# KiCad board AMLDC-2044B (2).kicad_pcb (continued)
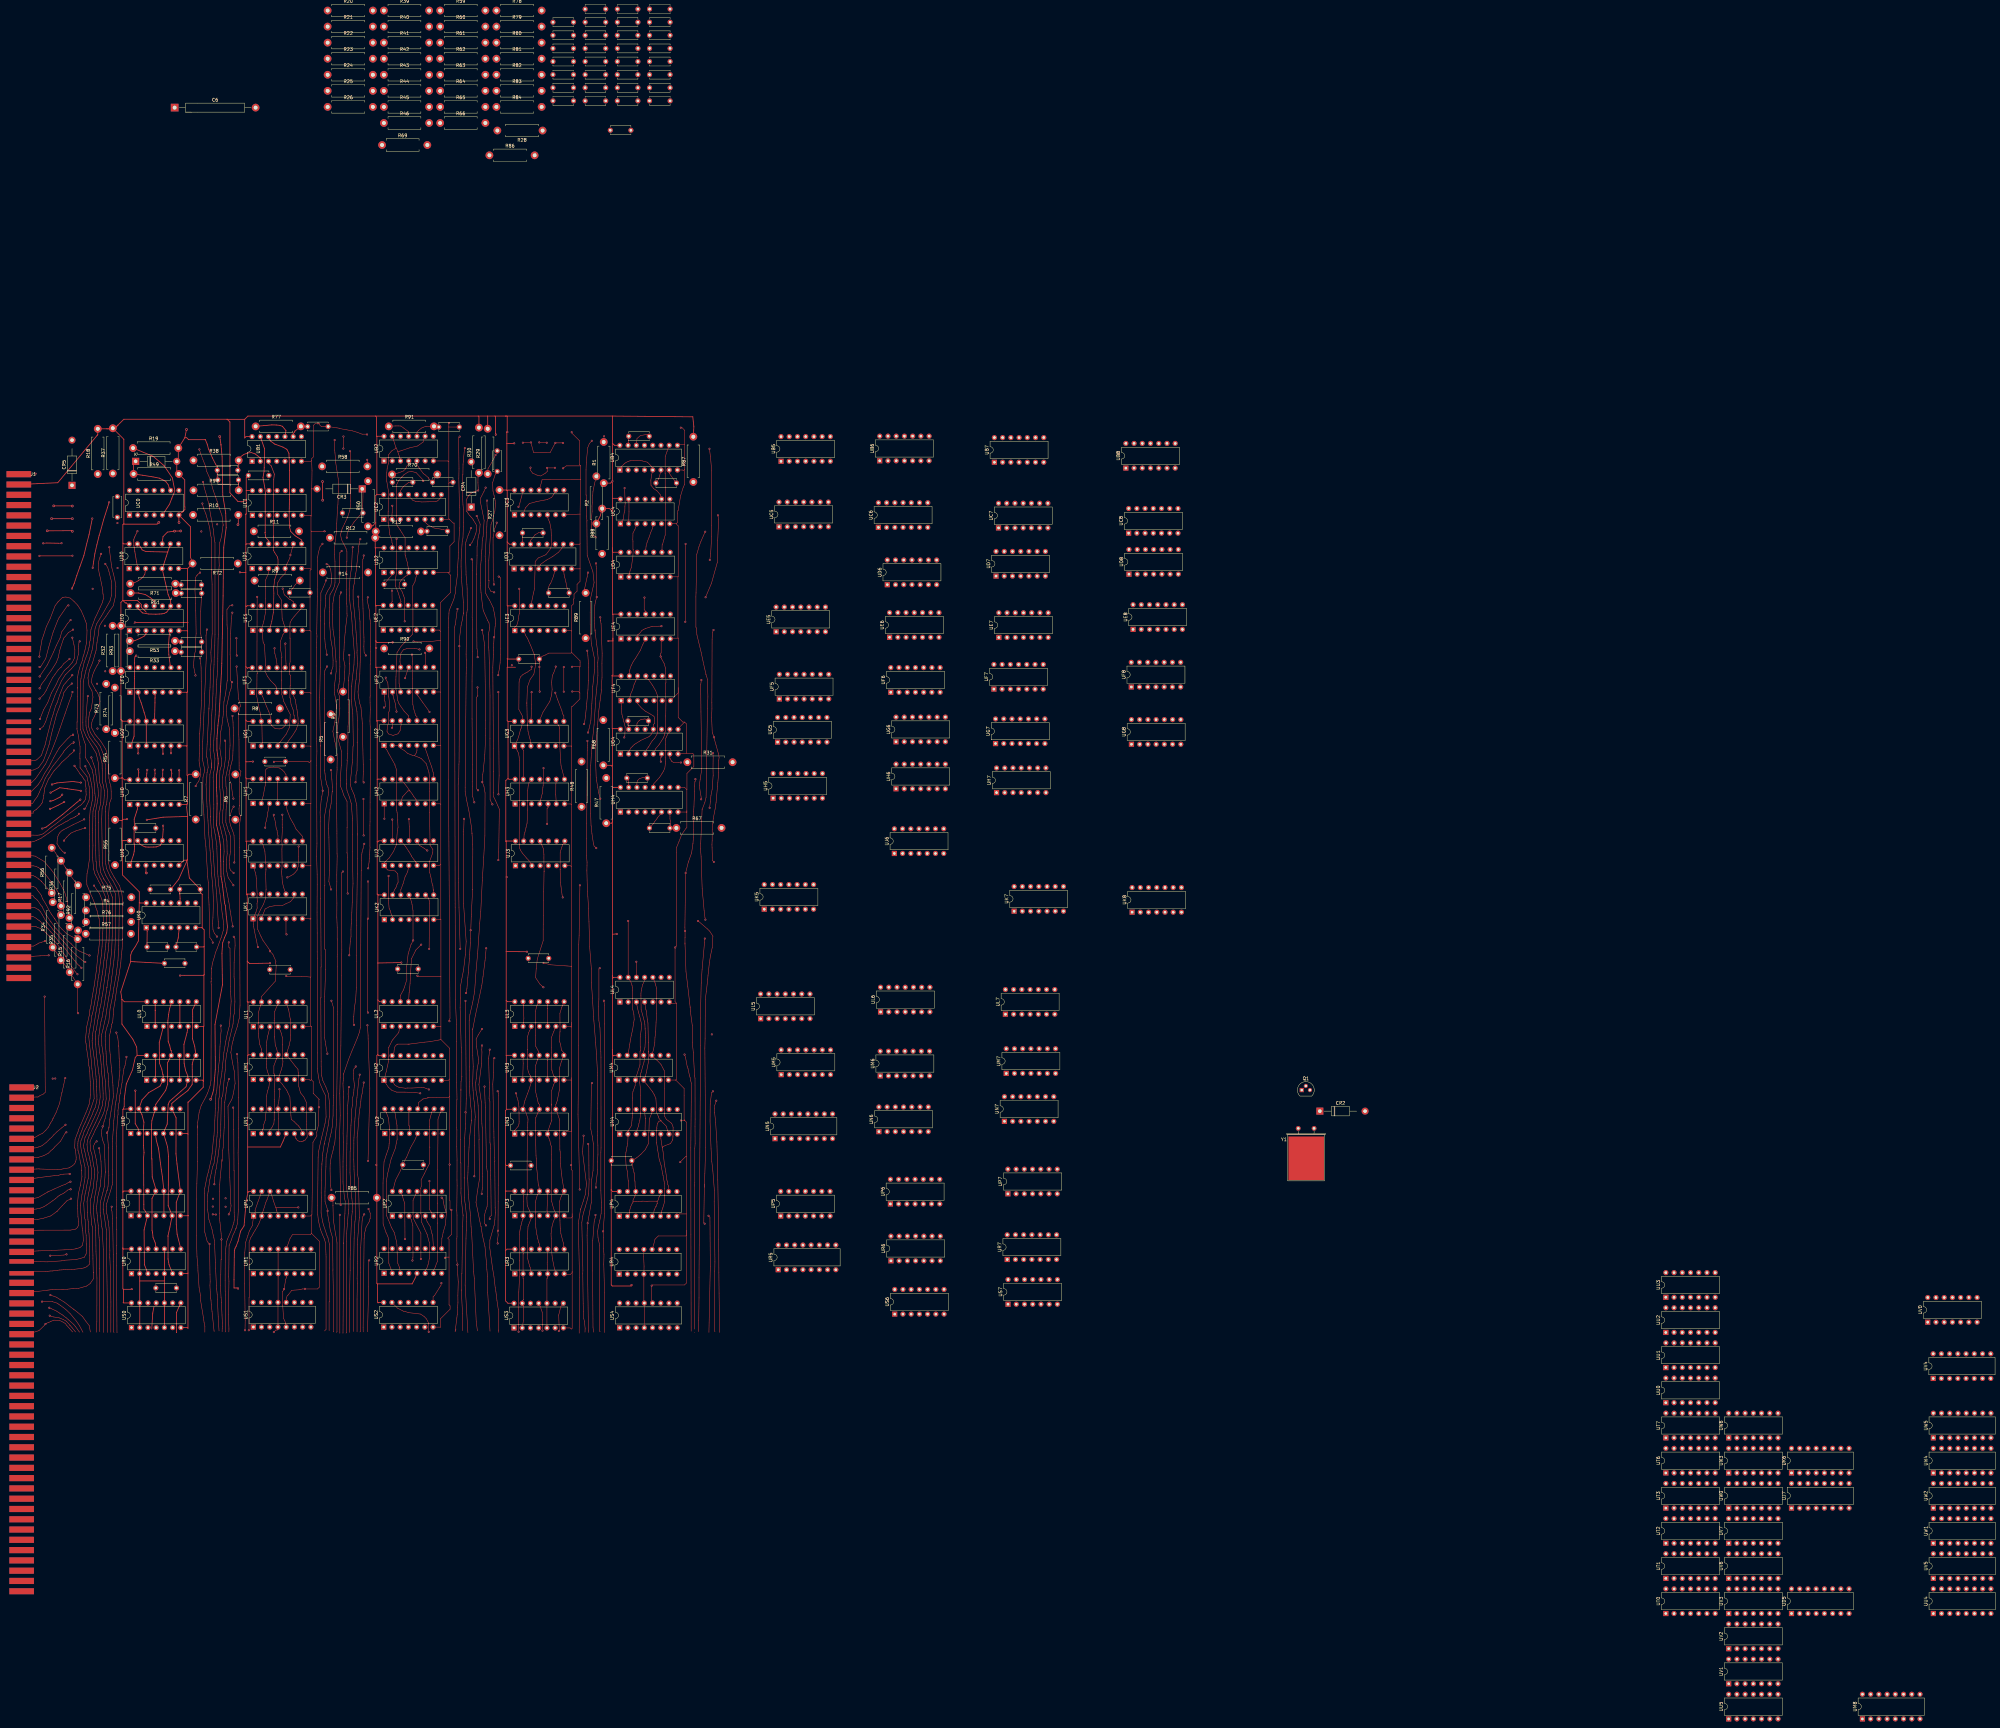
[diagram p0: board, top side]
## Routing (per net, layer and track width the routed paths; a pad name or vN(x,y) marks a point on that pad's centre or on a via; arc(x,y) is an arc through that point) (continued)
  Top w0.15: 134.47,312.16 133.96,301.87 133.89,300.84 133.73,297.18 133.86,296.81 134.02,296.07 134.23,293.86 133.88,292.21 ; 223.62,150.78 223.77,149.45 223.62,148.19 v1(223.62,146.83) ; v1(285.47,246.4) 285.54,246.4 288.37,243.96 289.08,243.27 290.07,241.74 289.85,238.11 289.63,237.09 289.32,235.61 289,233.62 288.56,229.55 288.47,228.25 288.05,224.73 287.74,222.27 287.66,210.17 287.59,207.13 287.83,176.46 287.59,168.48 287.43,164.1 ; v1(287.58,240.98) 287.5,239.88 286.74,231.52 286.47,227.26 286.22,216.45 286.26,207.89 285.79,136.39 285.79,130.01 285.7,123.1 285.69,119.6 ; v1(223.78,322.32) 223.94,323.28 224.18,324.5 224.37,326.12 224.49,328.72 224.48,330.47 224.48,349.31 224.44,352.34 ; v1(281.65,362.85) 281.65,338.9 v1(281.54,338.78) ; 179.03,119.62 179.15,139.25 179.29,148.47 179.36,150.28 179.54,153.48 179.78,155.21 179.68,162.47 179.57,162.96 179.25,169.77 179.25,170.55 179.18,172.81 179.21,177.62 179.21,178.66 179.25,179.47 179.5,184.4 179.57,185.55 180.04,190.65 180.17,191.97 180.77,197.69 v1(181.02,198.95) ; 139.92,194.73 140.29,196.55 v1(140.67,197.61) ; 290.6,187.17 290.59,188.54 290.62,189.4 v1(291.12,190.91) ; 104.46,156.89 104.43,156.92 v1(104.43,158.17) ; 281.45,239.64 281.76,230.79 282.31,226.25 283.05,219.74 ; v1(179.27,214.31) 179.06,216.05 179.2,216.9 ; 224.44,352.34 224.02,352.77 v1(223.94,352.77) ; 224.44,352.34 224.44,352.42 ; 286.75,280.99 286.31,270.3 286.24,268.65 286.43,266.36 286.76,256.36 287.36,249.66 287.62,247.44 v1(287.75,246.8) ; 255.36,339.2 255.38,339.05 ; 255.38,339.05 255.55,338.17 255.87,329.05 255.86,328.24 255.82,325.86 255.84,321.61 255.58,317.99 255.65,317.56 255.25,314.53 254.82,311.2 254.48,307.01 253.95,300.72 253.82,295.96 253.88,295.27 254.03,290.81 254.15,289.81 254.54,287.55 254.78,286.05 v1(255.29,284.16) ; 255.38,339.05 255.32,339.33 v1(255.29,340.16) ; v1(290.07,193.8) 289.64,193.37 289.37,190.81 289.24,189.87 289.2,184.64 289.51,176.06 289.72,172.19 290.06,169.21 290.53,163.13 290.47,159.73 290.7,141.34 290.65,138.29 290.65,119.7 290.72,119.63 ; v1(289.01,392.22) 289.31,389.83 289.72,385.4 289.68,368.53 289.68,365.12 289.39,359.87 v1(289.12,357.89) ; v1(289.07,281.36) 289.29,283.24 289.48,285.18 289.85,287.07 290.15,291.39 290.11,293.54 290.15,297.04 290.08,297.91 v1(290.09,298.24) ; 212.76,119.89 212.76,125.08 212.4,132.31 212.35,132.36 212.54,132.55 212.54,137.49 212.58,137.54 212.79,152.18 212.93,155.63 ; v1(89.94,267.46) 89.3,267.83 88.9,268.31 88.43,268.84 87.54,270.31 87.65,271.97 87.8,272.48 88.01,273.07 88.36,273.57 88.51,273.83 89.12,274.34 89.4,274.5 92.67,276.23 94.48,277.07 v1(95.94,277.79) ; 210.75,120.42 210.48,119.66 211.01,123.81 211.14,124.98 211.26,126.99 211.35,128.65 211.32,130.75 211.44,134.94 211.31,137.11 v1(211.17,140.29) 211.01,141.55 211.01,148.27 211.06,148.99 211.06,155.6 210.99,157.07 211.08,164.67 211.05,166.42 211.07,172.58 210.99,176.83 211.02,181.96 210.93,182.56 211.01,191.13 211.06,191.38 210.96,196.55 210.93,199.12 210.93,209.18 210.88,209.23 210.88,214.41 210.57,222.08 210.49,250.54 210.48,251.66 210.32,337.08 210.54,338.07 211.07,341.96 v1(211.21,342.75) ; v1(183.59,172.31) 184.14,194.67 183.62,210 183.6,211.15 v1(183.39,214.21) ; v1(172.18,322.87) 172.39,323.86 172.76,324.96 172.79,326.95 172.59,330.57 172.13,333.16 171.7,338.44 171.7,341.87 171.6,343.31 171.84,347.13 172.78,348.77 173.27,349.92 173.39,350.86 173.39,355.97 173.38,357.33 173.26,359.59 173.22,361.16 173.52,364.31 173.8,366.42 173.87,367.56 173.93,369.26 174.15,373.94 174.29,374.98 174.39,377.79 174.54,379.16 174.37,382.97 173.61,387.89 173.38,390.94 173.29,391.84 v1(173.29,394.92) ; v1(102.99,181.05) 103.12,180.12 103.47,176.28 ; v1(102.99,181.05) 103.23,181.29 ; v1(102.99,181.05) 102.79,180.85 ; 138.84,368.83 138.63,367.22 138.35,365.12 137.82,363.32 137.56,358.43 137.64,356.25 137.51,354.61 137.4,334.97 137.29,333.74 137.2,327.37 137.2,326.48 137.12,323.58 136.9,321 136.82,319.46 136.63,315.29 136.59,313.39 136.41,311.54 136.39,310.11 135.97,302.13 135.87,300.74 135.93,298.94 136.31,296.62 136.21,293.74 135.96,292.37 135.75,290.7 135.81,289.41 135.97,282.43 135.97,281.26 135.93,278.52 135.92,277.66 135.97,275.24 136.39,273.1 136.92,269.53 136.91,268.74 137.12,261.83 137.26,260.1 137.52,257.25 137.86,254.98 138.55,248.79 138.63,248.32 139.02,245.44 138.91,243.57 138.25,241.33 137.65,239.72 136.96,237.78 136.45,236.61 136.25,235.6 135.87,234.51 135.49,233.16 135.28,231.55 ; 173.71,326.62 173.75,323.54 173.24,319.16 173.25,317 173.33,316.23 173.65,314.34 173.85,312.69 173.63,310.04 173.4,308.16 172.73,305.01 173.31,301.86 173.55,301.08 173.81,299.04 174.03,297.79 174.07,296.63 174.02,293.82 174.03,293.26 173.8,288.72 173.88,282.66 173.98,274.19 173.98,273.46 174.02,267.3 174.06,266.46 173.94,260.64 173.95,258.52 173.92,255.73 173.97,251.8 173.94,247.6 174.07,244.35 174.07,240.88 174.09,240.54 174.09,235.95 174.07,235.47 174.17,232.22 174.17,218.33 174.15,217.62 174.08,214.41 174.08,203.04 173.88,188.1 173.93,185.18 173.32,177.87 172.97,176.61 172.76,175.44 172.22,173.53 171.9,171.43 171.86,169.86 171.96,164.85 v1(172.26,163.33) ; v1(221.98,282.42) 221.28,283.83 221.23,302.85 221.25,316.02 221.04,326.08 220.91,330.04 220.82,331.01 220.73,334.77 221.14,336.88 220.94,338.43 220.49,339.28 ; 283.37,119.74 283.28,149.72 283.25,176.42 283.44,196.27 283.21,197.08 283.04,198.03 282.85,198.63 282.39,200.82 282.12,201.56 281.61,204.36 v1(281.31,205.17) ; 249.17,157.19 250.06,159.92 250.66,161.86 251.04,165.2 249.82,175.11 250.13,179.27 v1(250.14,180.1) ; v1(82.15,324.86) 82.47,324.86 84.07,327.46 84.97,330.91 86.35,335.62 87.76,339.19 88.17,340.03 90.7,343.73 90.93,343.73 v1(91.07,343.86) ; 172.85,119.51 172.97,119.63 172.97,131.21 172.87,132.15 172.74,138.61 172.76,138.63 172.64,148.58 171.93,150.96 171.55,153.36 171.2,155.35 v1(171.1,156.86) 171.1,157.18 170.31,159.76 170.29,161.63 170.29,162.95 170.59,170.61 170.63,173.27 171.4,177.39 171.89,179.75 172.19,180.95 172.52,182.78 172.8,186.35 172.82,189.32 172.95,191.96 172.94,192.57 ; v1(175.21,347.86) 174.88,346.9 174.85,346.37 174.75,343.12 174.74,336.16 174.71,334.05 174.85,327.87 174.89,324.99 174.76,321.2 174.71,320.37 174.62,319.5 174.4,318.25 174.06,317.57 174.88,315.56 174.74,314.96 174.88,312.12 174.81,311.43 174.58,308.98 174.34,307.77 174.22,306.64 174.09,305.99 174.16,303.31 175.39,298.73 175.32,294.52 175.03,289.86 175.05,288.08 175.7,286.53 176.04,285.34 177.11,283.32 177.14,275.37 177.11,275.34 177.11,267.56 177.07,267.53 177.14,267.22 177.21,266.12 177.21,255 v1(177.31,254.9) ; 253.68,335.89 253.68,336.28 253.73,335.48 254.21,331.71 254.42,330.13 254.45,329.7 254.63,327.59 254.52,326.13 254.54,324.89 254.57,322.16 254.18,317.95 253.89,315.12 253.8,313.41 253.38,306.93 252.95,302.82 252.58,299.37 252.55,298.18 252.36,294.41 252.35,291.5 252.32,283.33 252.33,279.64 252.45,275.91 252.51,275.52 252.72,273.43 253.2,270.22 253.42,269.45 253.52,269.45 v1(254.06,268.91) ; v1(178.86,361.83) 178.72,360.51 178.53,356.26 178.47,355.38 178.09,352.9 177.98,351.43 177.76,349.14 177.8,347.04 178.07,344 178.4,341.56 178.43,341.22 178.62,339.03 178.78,336.22 179.02,333.64 179.37,329 179.33,327.9 179.25,325.55 179.04,323.8 178.72,321.07 178.55,318.97 178.47,318.9 178.47,314.87 178.49,314.31 178.7,311.83 178.88,310.59 179.04,300.72 178.94,300.16 178.84,296.28 178.74,295.46 178.21,290.14 178.08,288.43 178.57,287.03 179.35,285.26 180.12,282.07 180.3,273.11 ; 212.27,194.42 212.17,179.02 212.21,178.97 212.21,171.71 212.26,171.67 212.3,163.72 212.27,162.42 212.47,159.75 212.93,155.46 ; 107.05,193.12 107.5,195.84 107.66,196.62 107.66,197.29 108.15,200.23 108.21,200.82 108.55,201.77 108.7,202.47 v1(108.99,204.45) ; 176.06,147.14 175.86,119.18 175.82,119.14 ; v1(82.28,308.8) 83.43,311.67 84.7,313.87 85.82,316.82 87.25,319.36 88.05,321.11 89.85,323.81 90.52,324.38 90.94,324.73 92.27,326.26 92.99,327.71 93.07,330.15 92.77,331.78 v1(92.28,333.9) ; 91.55,121.52 91.55,121.57 ; 91.55,121.57 92.25,120.73 93.28,119.5 ; 91.55,121.57 90.45,122.8 89.51,123.33 88.19,123.86 86.57,124.12 85.92,124.27 v1(85.3,124.52) ; 103.23,181.29 103.28,181.34 ; 103.23,181.29 103.23,181.36 103.61,182.8 ; v1(182.91,328.41) 182.38,329.36 182.29,331.13 182.35,332.69 182.32,333.99 182.03,342.95 181.97,345.78 181.79,352.51 181.98,358.1 182.21,358.47 182.23,358.7 v1(182.27,359.27) ; v1(251.31,302.01) 251.34,300.65 251.32,299.86 251.27,299.11 251.11,276.61 251.11,271.83 251.04,266.63 251.21,264.56 251.2,263.49 251.16,262 251.32,255.64 251.46,253.94 251.68,250.18 251.8,246.26 252.01,238.46 252.54,231.6 252.57,227.31 252.88,222.6 253.23,216.84 253.33,215.52 253.85,208.9 254.13,205.33 254.44,199.51 254.44,198.71 254.47,190.16 254.45,188.59 254.45,181.4 254.44,180.18 254.56,177.02 254.58,174.3 254.44,172 254.52,169.68 253.97,165.29 v1(253.96,164.12) ; 172.53,286.51 172.17,282.59 171.66,280.06 171.41,275.01 171.51,272.19 171.68,261.89 171.49,258.6 v1(172.18,256.15) ; v1(158.66,259.87) 159.8,260.38 160.64,260.92 161.05,261.34 161.68,262.13 162.02,263.31 162.03,265.08 162.08,266.27 v1(162.16,269.42) ; 215.69,273.34 215.58,274.99 214.73,280.38 214.03,283.68 213.58,286.36 213.58,287.53 213.89,322.94 213.94,324.74 213.91,327.01 213.87,328.75 214.06,340.85 214.1,341.57 214.24,342.63 214.19,348.95 214.12,350.23 213.84,353.45 213.85,354.18 213.62,362.74 213.82,363.45 214.48,365.5 214.88,366.45 v1(215.36,367.73) ; v1(249.01,257.44) 248.77,242 248.65,239.2 248.59,224.74 248.65,208 248.43,186.62 v1(248.96,163.48) ; v1(170.86,328.64) 170.86,329.05 170.42,331.2 170.36,331.82 170.23,333.53 170.14,338.11 170.19,338.15 170.19,342.12 170.42,343.89 170.5,346 170.55,347.08 171.08,348.27 172.1,349.9 172.39,352.08 172.06,354.91 171.49,356.3 v1(170.79,356.6) ; 223.88,119.38 223.83,120.06 223.81,120.09 223.81,126.42 223.39,129.24 223.2,130.91 223.08,131.86 222.86,133.15 222.47,136.59 222.03,139.19 221.18,145.43 221.21,147.88 222.52,152.42 222.76,154.22 222.88,156.28 222.84,157.84 222.71,172.23 222.76,172.28 222.62,173.32 222.47,179.49 222.45,181.5 222.11,196.02 222.35,199.54 222.45,203.92 v1(222.58,204.05) ; v1(218.83,336.25) 219.17,334.44 219.6,331.53 219.94,308.42 219.88,305.88 219.91,303.71 219.64,297.73 219.53,296.52 219.16,292.72 219.02,291.72 218.83,289.36 v1(218.87,289.32) 219.38,287.93 219.72,285.95 219.67,272.68 219.3,265.93 218.91,259.72 218.86,258.83 218.4,249.43 218.07,245.68 217.44,236.42 216.95,231.16 216.49,224.59 215.92,221.32 215.04,217.49 214.81,215.56 214.91,201.33 214.95,200.3 215.01,196.89 214.87,195.17 215.05,192.57 215.31,189.27 215.51,187.45 215.5,184.71 ; 181.07,119.5 181.21,119.64 181.31,137.96 181.33,139.27 181.33,145.56 181.75,153.76 181.99,155.11 v1(182.4,155.82) ; v1(217.43,327.87) 217.43,329.51 217.21,330.58 217.04,353.5 217.13,353.59 217.25,359.27 217.25,361.94 217.59,364.8 217.87,366.01 218.04,366.85 218.21,368.96 v1(217.15,371.48) ; v1(141.67,343.89) 140.83,343.71 140.01,342.51 140.05,337.82 140.14,336.71 140.14,320.58 140.09,320.53 139.61,316.61 139.09,314.06 138.99,311.17 138.78,309.3 138.48,306.86 138.1,304.81 137.84,299.71 138.27,296.6 138.27,294.28 137.84,292.79 137.74,287.93 137.87,286.98 138.14,282.28 137.78,279.59 137.66,276.63 138.04,275.12 138.4,273.54 139.03,271.01 139.15,267.85 138.94,264.67 ; v1(142,284.19) 141.76,285.38 141.31,288.77 140.78,289.98 140.66,291.54 140.94,292.96 141.22,294.39 141.62,295.91 141.83,297.43 141.89,299.07 142.04,303.62 141.95,306.22 141.9,307.8 v1(141.74,309.73) ; v1(140.6,155.82) 141.09,156.94 141.29,158.43 141.2,159.2 140.9,167.13 140.59,175.71 140.34,189.2 141.38,191.1 141.71,191.81 142.03,193.25 142.54,196.27 142.27,200.07 141.72,202.69 141.22,205.83 141.4,206.92 141.68,208.71 141.9,209.42 142.1,210.28 142.52,211.65 143.21,213.81 143.81,216.39 144.06,220.42 143.85,269.06 143.81,269.1 143.95,271.93 143.86,275.95 144.3,278.77 143.8,279.6 143.75,281.04 143.86,282.12 143.85,282.07 143.9,284.96 143.87,289.46 143.9,290.51 144.09,291.21 144.34,292.65 143.78,293.21 143.78,294.33 143.77,295.2 143.73,302.36 143.67,303.97 143.67,308.81 143.6,310.36 144.06,312.59 144.23,312.77 143.58,315.13 143.3,319.82 143.17,322.06 v1(143.01,324.97) ; v1(231.4,394.1) 231.5,394.2 v1(233.87,394.2) 234.71,391.03 239.8,391.02 241.39,394 v1(241.44,394.05) 243.76,394.05 v1(243.81,394) ; 170.09,177.76 169.52,174.03 169.47,172.69 169.32,171.25 ; v1(288.72,155.38) 289.16,154.94 289.16,154.48 289.27,139.78 288.84,119.35 ; 93.92,318.26 93.92,321.7 94.15,323.27 94.76,325.33 95.34,326.76 95.6,328.06 95.81,328.56 96.07,329.66 96.2,330.12 96.64,332.21 96.71,332.54 96.81,336.13 96.58,338.36 96.29,339.14 95.78,340.49 94.97,342.29 93.94,343.9 92.81,345.08 ; v1(179.71,289.24) 179.86,289.4 179.86,291.46 180.19,292.82 180.3,301.5 180.21,301.58 180.28,301.65 180.44,305.69 180.31,308.19 180.16,311.06 179.42,315.05 179.64,319.84 179.89,320.96 180.02,322.76 180.34,325.86 180.17,329.43 180.21,329.9 180.14,332.11 179.89,335.63 179.52,340.29 179.12,344.33 178.97,345.64 178.97,348.64 179.1,349.56 179.32,350.63 179.59,352.71 179.79,353.7 180.07,355.36 180.12,356.2 180.59,360.62 180.69,361.98 180.88,363.15 v1(181.19,364.33) ; v1(183.59,258.61) 183.59,247.17 v1(183.55,247.13) 183.36,246.94 183.36,218.32 v1(183.55,218.13) ; v1(85.45,143.04) 89.7,143.24 v1(90.48,143.46) ; 105.17,119.36 105.07,119.47 104.91,141.35 104.91,143.45 104.75,153.07 104.65,154.61 104.52,156.83 ; 170.05,177.47 170.8,180.78 171.27,183.18 171.66,186.15 171.71,189.97 171.33,193.11 170.58,195.14 169.64,197.12 169.24,198.71 169.11,201.53 169.11,203.1 168.99,222.64 169.06,222.71 169.06,232.04 169.11,232.39 168.96,253.25 168.93,253.28 168.82,277.03 168.83,278.45 168.79,280.04 169.14,283.94 169.3,284.74 v1(169.61,286.64) 169.44,287.65 168.89,291.03 168.87,300.68 ; v1(141.67,341.62) 141.38,339.8 141.16,335.19 141.09,333.5 141,328.7 141.09,327.55 141.18,320.58 v1(141.6,320.16) 141.29,318.2 140.89,317.02 139.98,312.96 139.83,311 140.09,308.69 140.86,305.56 140.98,300.68 140.75,296.44 140.5,295.27 140.48,295.24 140.4,294.4 139.63,290.69 139.73,287.84 139.99,287.22 139.99,283.31 140,282.72 ; 282.49,264.6 283.49,267.41 283.92,270.31 ; v1(94.56,332.76) 94.34,332.55 94.22,331.18 94.12,330.65 94.11,328.63 93.77,327.18 93.5,326.04 91.99,324.31 91.52,323.81 90.12,322.42 88.91,320.55 88.28,319.07 87.47,317.35 86.89,316.03 86.38,314.65 85.63,312.7 84.98,310.73 84.47,309.27 84.06,307.97 83.32,306.51 v1(82.28,305.67) ; 220.8,203.81 v1(221.18,206.68) ; v1(172.28,221.78) 172.95,219.53 172.94,192.47 ; v1(132.44,375.32) 132.75,373.93 133.52,372.1 134.33,369.22 134.7,367.84 134.89,366.1 135.16,364.8 135.27,354.09 135.44,350.42 135.47,335.18 135.07,329.34 135.16,326.68 134.92,323.94 134.79,318.44 134.74,317.55 134.45,311.86 ; v1(223.82,317.09) 224.06,291.34 v1(223.86,285.53) ; v1(251.56,177.55) 251.75,177 251.79,170.92 251.82,166.75 251.87,166.71 251.72,162.28 251.37,160.62 250.69,158.16 250.19,156.51 249.84,155.13 249.6,153.23 249.93,138.55 249.89,137.49 250.01,128.27 250.08,125.74 250.19,123.68 250.41,122.74 250.63,120.59 250.58,119.43 ; 138.87,368.51 138.47,371.67 137.8,373.49 136.98,376.05 135.81,379.29 134.8,382.94 133.77,385.26 133.33,387.02 132.62,388.83 131.88,390.85 v1(131.51,392.03) ; v1(169.51,362.88) 168.78,362.02 168.24,360.15 168.04,358.76 168.04,357.57 167.89,348.9 167.92,346.49 167.75,335.27 167.81,334.36 167.7,332.32 167.72,330.91 167.73,325.16 167.62,320.77 167.72,302.89 167.75,301.87 167.8,298.72 167.7,294.38 167.81,270.23 167.72,266.43 167.87,260.73 167.89,257.65 167.84,249.14 167.89,242.69 167.89,236.86 167.92,234.95 168.06,205.66 167.93,200.78 168.29,198.21 168.63,196.51 169.74,193.93 170.47,192.5 170.64,185.89 170.31,183.9 169.83,181.89 169.2,179.3 168.9,177.96 168.32,175.24 168.18,173.48 168.01,158.46 168.07,155.64 168.26,153.86 168.88,151.22 169.43,149.74 170.1,148.23 170.45,147.01 170.6,143.4 170.63,142.65 170.63,120.29 170.14,119.8 ; v1(177.78,235.82) 177.78,236.25 177.96,238.05 178.11,240.08 178.33,241.58 178.32,243.67 178.39,245.52 178.45,246.97 178.59,248.96 178.71,252.25 178.95,257.91 178.77,267.86 178.84,273.08 178.84,277.31 178.75,278.16 178.44,282.59 177.83,284.68 177.09,286.67 176.86,288.83 ; 140.04,283.1 139.91,281.76 139.76,280.94 139.68,277.47 139.68,276.88 139.96,275.98 140.53,273.99 140.74,273.79 141.1,272.5 141.12,267.87 140.97,266.92 140.71,264.99 140.74,264.09 140.74,263.91 140.94,262.57 141.1,262.11 v1(142.07,261.26) ; 215.68,273.58 215.91,270.05 215.94,268.62 215.88,256.01 ; v1(223.62,193.83) 223.89,193.18 223.92,192.42 223.79,164.75 223.77,159.71 v1(223.72,150.76) 223.93,150.97 ; 214.42,119.3 213.58,133.97 213.84,148.45 213.91,150.92 213.98,153.53 214.03,154.97 213.62,158.82 213.3,160.95 213.3,167.02 213.26,167.06 213.3,167.1 213.3,176.82 213.44,179.38 213.6,182.21 213.69,183.73 213.8,186.95 213.91,191.6 v1(213.68,221.73) ; v1(183.52,346.34) 183.3,345.72 183.67,343.82 183.99,342.36 184.17,339.66 184.25,339.32 184.29,338.27 184.28,331.15 184.29,329.5 184.34,326.75 184.28,325.76 184.25,325.73 184.25,315.88 184.2,315.53 184.22,313.97 184.28,311.84 184.19,308.15 184.26,306.33 184.26,296.26 184.22,296.22 184.32,296.12 184.22,283.09 184.22,280.94 184.2,277.16 184.17,275.88 184.17,269.57 184.2,269.1 184.07,266.95 183.95,265.65 183.92,264.65 v1(183.62,262.67) ; 106.09,119.31 106.07,119.33 105.94,139.9 105.94,143.64 105.96,143.66 105.96,146.26 106.01,146.31 106.01,151.09 105.99,151.1 105.99,154.68 105.96,154.72 105.92,157.43 105.88,158.13 105.88,160.28 105.88,160.93 105.84,176.9 105.81,177.82 105.94,180 105.97,180.92 106.24,185.8 106.4,186.71 106.37,187.95 106.48,188.69 106.64,189.96 106.87,190.96 106.93,192.5 107.08,193.26 ; 101.03,155.42 101.34,152.18 101.5,151.31 101.83,145.08 101.92,119.34 ; 176.85,288.67 176.9,290.07 177.02,292.96 177.17,295.93 177.09,296.01 177.33,298.02 177.41,306.39 177.53,307.79 177.6,310.76 177.56,310.8 177.56,313.23 177.53,315.45 177.5,319.28 177.6,320.82 ; 236.88,383.82 235.78,384.09 234.41,384.7 233.75,385.58 v1(233.75,386.39) ; 101.8,157.23 101.82,158.71 102.38,161.18 103.04,163.36 ; v1(253.81,155.63) 253.71,154.71 253.41,153.47 252.97,147.66 252.93,138.34 253.05,120.99 253.21,119.45 ; v1(133.85,336.4) 133.71,335.57 133.56,334.56 133.63,327.61 133.17,316.61 132.93,310.82 132.78,307.08 132.55,301.88 132.49,299.58 132.41,296.53 133.2,293.03 132.62,290.8 132.49,285.11 132.91,279.24 133.23,272 133.52,269.32 134.07,260.05 134.27,258.21 134.4,253.72 134.49,251.4 134.75,241.25 135.27,240.64 v1(135.65,239.73) ; v1(180.55,346.57) 180.75,343.41 180.81,342.52 181,339.88 181.1,338.92 181.24,327.96 181.16,326.35 181.05,322.69 180.93,320.87 180.49,317.14 180.57,316.18 180.98,313.7 181.4,312.44 181.73,308.81 181.82,307.3 182.1,294.82 182.14,292.66 182.02,289.45 v1(182.27,289.21) ; v1(131.71,327.51) 131.95,325.85 132.04,324.53 132.08,320.34 132.16,314.43 131.89,309.03 131.85,308.37 131.81,307.66 131.62,304.31 131.6,304.17 131.56,300.62 131.51,298.08 131.41,296.07 131.48,295.1 131.84,293.08 131.95,291.58 131.3,289.52 130.62,288.66 v1(130.37,288.07) ; v1(216.39,167.58) 216.46,167.64 216.46,176.97 216.47,180.08 216.63,185.2 216.7,185.87 216.49,189.04 216.52,189.54 216.2,191.65 216.01,194.16 215.89,196.21 216.06,201.54 215.94,204.78 215.88,213.15 ; 180.91,154.88 180.6,166.79 180.35,168.1 180.22,179.69 180.39,180.85 180.73,185.3 180.86,187.09 181.11,188.82 181.35,190.61 181.5,192.15 181.75,193.04 182.01,194.87 182.14,195.51 v1(182.27,196.52) ; 130.75,353.14 130.32,352.49 130.15,348.57 130.32,344.53 130.4,342.17 130.5,335.16 130.35,333.21 130.23,329.61 129.96,328.51 129.7,325.39 129.78,324.74 130.1,323.08 v1(130.3,322.23) ; 130.75,353.14 131.6,353.99 v1(131.71,353.99) ; 130.75,353.14 130.88,353.33 ; v1(286.5,320.82) 286.3,319.3 286.39,310.96 286.66,293.49 286.12,290 285.87,288.16 286.44,284.67 v1(286.44,283.98) ; 255.27,119.57 255.14,119.71 255.12,146.08 254.79,147.77 254.6,148.58 254.48,150.56 254.73,152.22 255.14,153.86 255.57,156.15 255.61,157.88 255.61,159.58 255.48,163.17 255.48,174.86 255.53,176.33 255.51,204.19 255.47,206.03 255.21,213.38 254.87,215.6 254.77,220.06 254.87,222.31 254.87,231.57 v1(255.14,231.84) ; v1(135.65,155.82) 136.52,155.82 v1(136.59,155.75) ; 171.57,119.88 171.57,128.78 